# KiCad board radioboard_original.kicad_pcb (continued)
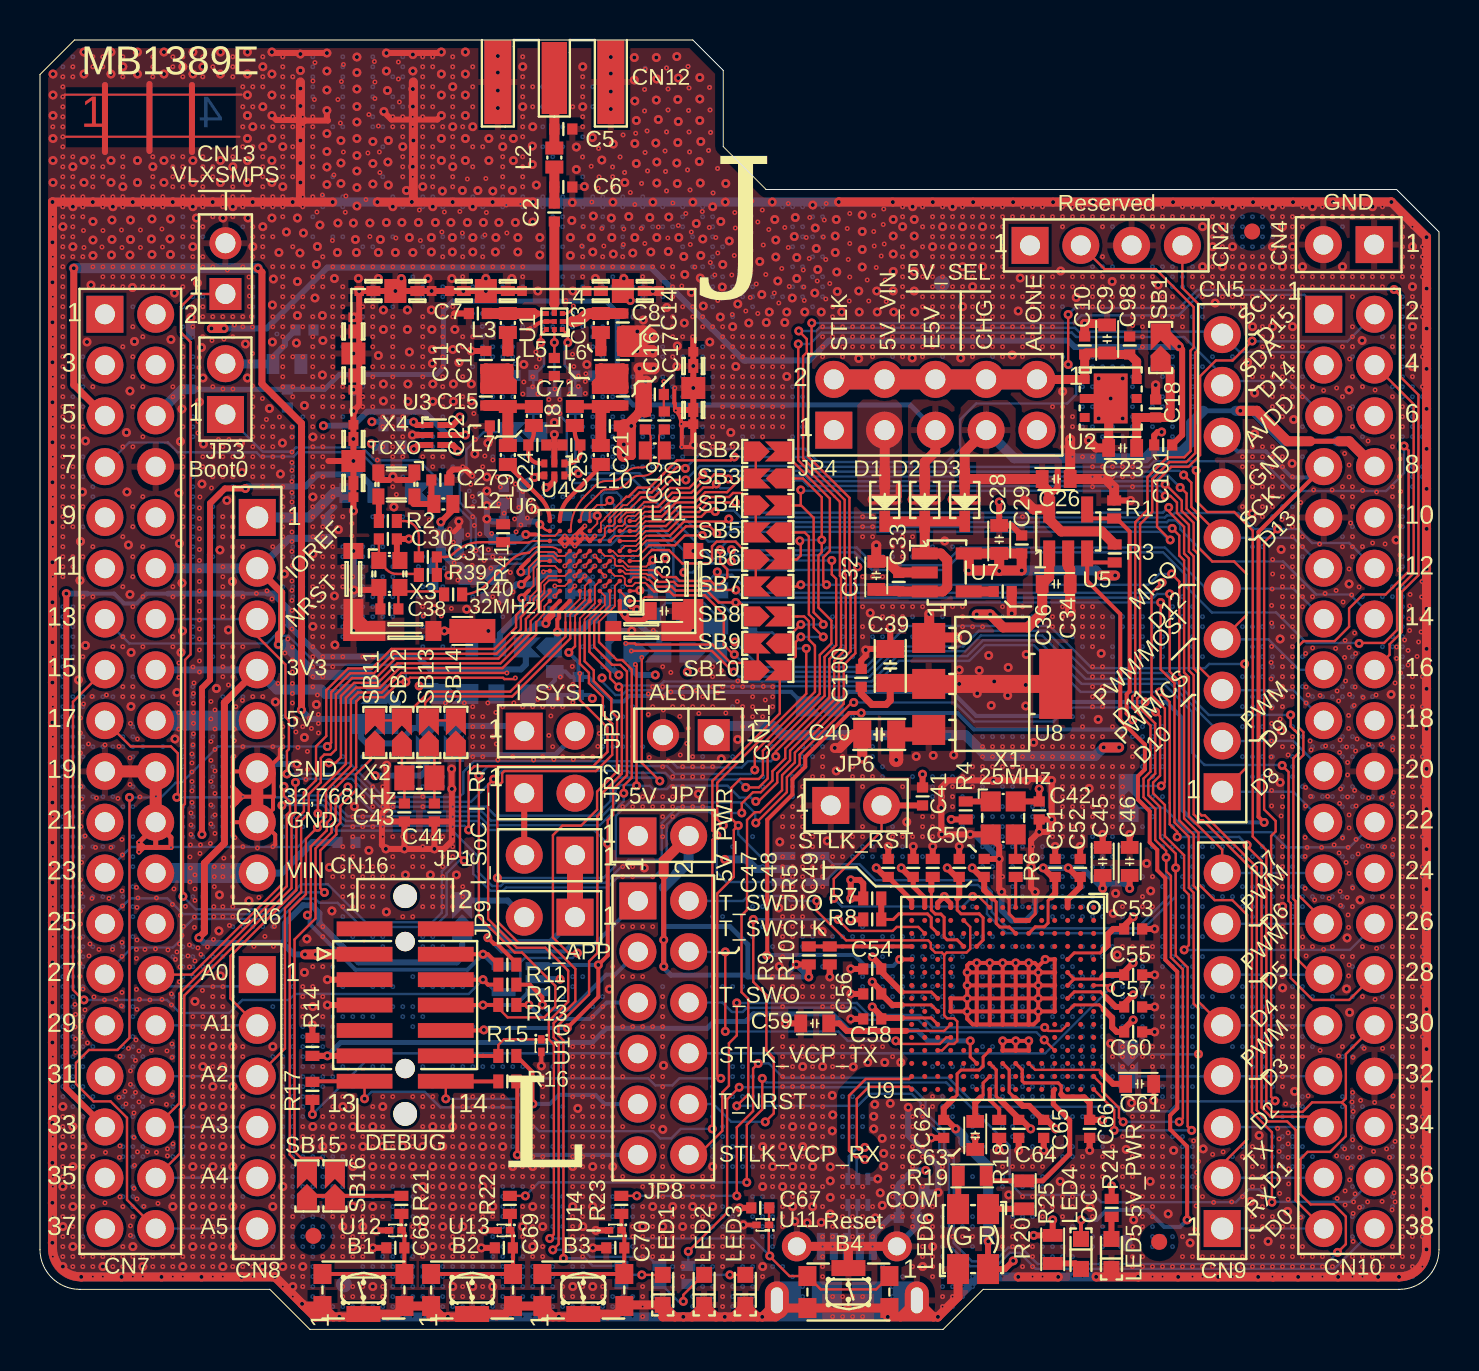
[diagram p0: board, top side]
## Routing (per net, layer and track width the routed paths; a pad name or vN(x,y) marks a point on that pad's centre or on a via; arc(x,y) is an arc through that point) (continued)
v3(41.64,34.64) v3(41.64,29.14) v3(41.64,28.64) v3(41.64,28.14) v3(41.64,27.64) v3(41.64,24.14) v3(41.64,23.64) v3(42.14,38.64) v3(42.14,35.64) v3(42.14,34.64) v3(42.14,28.14) v3(42.14,27.64) v3(42.14,23.64) v3(42.14,19.64) v3(42.14,19.14) v3(42.14,18.64) v3(42.14,17.64) v3(42.14,17.14) v3(42.14,16.64) v3(42.14,16.14) v3(42.14,3.14) v3(42.64,48.64) v3(42.64,39.14) v3(42.64,38.64) v3(42.64,35.64) v3(42.64,25.14) v3(42.64,23.64) v3(42.64,19.64) v3(42.64,19.14) v3(42.64,17.64) v3(42.64,17.14) v3(42.64,16.64) v3(42.64,16.14) v3(42.64,10.64) v3(42.64,10.14) v3(42.64,9.64) v3(42.64,9.14) v3(42.64,8.64) v3(42.64,7.64) v3(42.64,2.64) v3(42.64,2.14) v3(42.64,1.64) v3(42.64,1.14) v3(43.14,56.14) v3(43.14,55.64) v3(43.14,54.14) v3(43.14,53.64) v3(43.14,53.14) v3(43.14,52.64) v3(43.14,52.14) v3(43.14,51.64) v3(43.14,51.14) v3(43.14,50.64) v3(43.14,48.64) v3(43.14,39.14) v3(43.14,38.64) v3(43.14,35.64) v3(43.14,24.14) v3(43.14,23.64) v3(43.14,19.64) v3(43.14,19.14) v3(43.14,17.64) v3(43.14,17.14) v3(43.14,16.64) v3(43.14,16.14) v3(43.14,10.64) v3(43.14,10.14) v3(43.14,9.64) v3(43.14,9.14) v3(43.14,8.64) v3(43.14,8.14) v3(43.14,2.64) v3(43.64,39.14) v3(43.64,38.64) v3(43.64,35.64) v3(43.64,34.64) v3(43.64,27.64) v3(43.64,23.64) v3(43.64,19.64) v3(43.64,19.14) v3(43.64,18.64) v3(43.64,18.14) v3(43.64,17.64) v3(43.64,17.14) v3(43.64,16.64) v3(43.64,16.14) v3(43.64,9.14) v3(43.64,8.64) v3(43.64,3.14) v3(44.14,56.14) v3(44.14,55.14) v3(44.14,54.14) v3(44.14,53.14) v3(44.14,51.64) v3(44.14,51.14) v3(44.14,48.64) v3(44.14,39.14) v3(44.14,38.64) v3(44.14,34.64) v3(44.14,27.14) v3(44.14,24.64) v3(44.14,23.64) v3(44.14,19.64) v3(44.14,19.14) v3(44.14,18.64) v3(44.14,18.14) v3(44.14,17.64) v3(44.14,17.14) v3(44.14,16.64) v3(44.14,16.14) v3(44.14,8.64) v3(44.14,4.64) v3(44.14,4.14) v3(44.14,3.64) v3(44.64,55.64) v3(44.64,55.14) v3(44.64,54.64) v3(44.64,53.64) v3(44.64,51.14) v3(44.64,50.64) v3(44.64,39.14) v3(44.64,38.64) v3(44.64,34.64) v3(44.64,27.64) v3(44.64,27.14) v3(44.64,26.64) v3(44.64,25.64) v3(44.64,25.14) v3(44.64,24.64) v3(44.64,23.64) v3(44.64,19.64) v3(44.64,19.14) v3(44.64,18.64) v3(44.64,18.14) v3(44.64,17.64) v3(44.64,17.14) v3(44.64,16.64) v3(44.64,16.14) v3(44.64,15.64) v3(44.64,13.14) v3(44.64,11.64) v3(44.64,11.14) v3(44.64,5.14) v3(44.64,4.64) v3(44.64,3.64) v3(44.64,3.14) v3(44.64,2.64) v3(45.14,56.14) v3(45.14,55.64) v3(45.14,54.64) v3(45.14,54.14) v3(45.14,53.64) v3(45.14,51.14) v3(45.14,50.64) v3(45.14,48.64) v3(45.14,38.64) v3(45.14,35.64) v3(45.14,34.64) v3(45.14,27.64) v3(45.14,27.14) v3(45.14,26.64) v3(45.14,19.64) v3(45.14,19.14) v3(45.14,18.64) v3(45.14,18.14) v3(45.14,17.64) v3(45.14,17.14) v3(45.14,16.64) v3(45.14,16.14) v3(45.14,15.64) v3(45.14,13.14) v3(45.14,11.64) v3(45.14,11.14) v3(45.14,10.64) v3(45.14,8.14) v3(45.14,6.14) v3(45.14,5.64) v3(45.14,5.14) v3(45.14,4.64) v3(45.14,4.14) v3(45.14,3.64) v3(45.14,3.14) v3(45.14,2.64) v3(45.14,2.14) v3(45.14,1.64) v3(45.14,1.14) v3(45.64,55.64) v3(45.64,55.14) v3(45.64,54.64) v3(45.64,53.64) v3(45.64,51.14) v3(45.64,50.64) v3(45.64,39.14) v3(45.64,27.64) v3(45.64,27.14) v3(45.64,26.64) v3(45.64,26.14) v3(45.64,19.64) v3(45.64,19.14) v3(45.64,18.64) v3(45.64,18.14) v3(45.64,17.64) v3(45.64,17.14) v3(45.64,16.64) v3(45.64,16.14) v3(45.64,15.64) v3(45.64,13.14) v3(45.64,11.14) v3(45.64,10.64) v3(45.64,3.14) v3(45.64,2.64) v3(45.64,2.14) v3(45.64,1.64) v3(45.64,1.14) v3(46.14,56.14) v3(46.14,55.64) v3(46.14,54.64) v3(46.14,54.14) v3(46.14,53.64) v3(46.14,52.64) v3(46.14,52.14) v3(46.14,51.64) v3(46.14,50.64) v3(46.14,27.64) v3(46.14,27.14) v3(46.14,26.64) v3(46.14,25.14) v3(46.14,23.64) v3(46.14,19.64) v3(46.14,19.14) v3(46.14,18.64) v3(46.14,13.14) v3(46.14,12.64) v3(46.14,8.14) v3(46.14,6.14) v3(46.14,5.64) v3(46.14,5.14) v3(46.14,4.64) v3(46.14,2.64) v3(46.14,2.14) v3(46.14,1.64) v3(46.64,55.64) v3(46.64,55.14) v3(46.64,54.64) v3(46.64,53.64) v3(46.64,53.14) v3(46.64,52.64) v3(46.64,51.64) v3(46.64,51.14) v3(46.64,50.64) v3(46.64,48.64) v3(46.64,28.14) v3(46.64,27.64) v3(46.64,27.14) v3(46.64,25.64) v3(46.64,24.14) v3(46.64,23.64) v3(46.64,21.14) v3(46.64,19.64) v3(46.64,19.14) v3(46.64,13.14) v3(46.64,12.64) v3(46.64,12.14) v3(46.64,10.14) v3(46.64,7.64) v3(46.64,5.64) v3(46.64,5.14) v3(46.64,4.64) v3(46.64,4.14) v3(46.64,2.64) v3(46.64,2.14) v3(47.14,56.14) v3(47.14,55.64) v3(47.14,54.64) v3(47.14,54.14) v3(47.14,53.64) v3(47.14,52.64) v3(47.14,52.14) v3(47.14,51.64) v3(47.14,51.14) v3(47.14,50.64) v3(47.14,29.64) v3(47.14,28.14) v3(47.14,27.64) v3(47.14,27.14) v3(47.14,26.14) v3(47.14,25.64) v3(47.14,25.14) v3(47.14,24.64) v3(47.14,24.14) v3(47.14,23.64) v3(47.14,23.14) v3(47.14,19.64) v3(47.14,19.14) v3(47.14,17.64) v3(47.14,17.14) v3(47.14,16.64) v3(47.14,16.14) v3(47.14,15.64) v3(47.14,14.14) v3(47.14,13.14) v3(47.14,12.64) v3(47.14,12.14) v3(47.14,11.64) v3(47.14,9.14) v3(47.14,2.64) v3(47.64,56.14) v3(47.64,55.64) v3(47.64,55.14) v3(47.64,54.64) v3(47.64,54.14) v3(47.64,53.64) v3(47.64,53.14) v3(47.64,52.64) v3(47.64,52.14) v3(47.64,51.64) v3(47.64,51.14) v3(47.64,50.64) v3(47.64,48.64) v3(47.64,29.64) v3(47.64,28.14) v3(47.64,26.14) v3(47.64,25.64) v3(47.64,25.14) v3(47.64,24.64) v3(47.64,24.14) v3(47.64,23.14) v3(47.64,22.64) v3(47.64,19.64) v3(47.64,19.14) v3(47.64,17.64) v3(47.64,17.14) v3(47.64,16.64) v3(47.64,16.14) v3(47.64,15.64) v3(47.64,14.14) v3(47.64,13.14) v3(47.64,12.64) v3(47.64,12.14) v3(47.64,11.64) v3(47.64,2.64) v3(48.14,56.14) v3(48.14,55.64) v3(48.14,55.14) v3(48.14,54.64) v3(48.14,54.14) v3(48.14,53.64) v3(48.14,53.14) v3(48.14,52.64) v3(48.14,52.14) v3(48.14,51.64) v3(48.14,51.14) v3(48.14,50.64) v3(48.14,48.64) v3(48.14,35.64) v3(48.14,29.64) v3(48.14,28.14) v3(48.14,27.64) v3(48.14,27.14) v3(48.14,26.14) v3(48.14,25.64) v3(48.14,25.14) v3(48.14,24.64) v3(48.14,24.14) v3(48.14,22.64) v3(48.14,21.14) v3(48.14,19.14) v3(48.14,17.64) v3(48.14,17.14) v3(48.14,16.64) v3(48.14,16.14) v3(48.14,15.64) v3(48.14,13.14) v3(48.14,12.64) v3(48.14,12.14) v3(48.14,11.64) v3(48.14,10.14) v3(48.14,7.64) v3(48.14,7.14) v3(48.14,6.14) v3(48.14,2.64) v3(48.64,55.64) v3(48.64,52.14) v3(48.64,51.64) v3(48.64,29.64) v3(48.64,28.14) v3(48.64,27.64) v3(48.64,27.14) v3(48.64,26.14) v3(48.64,25.64) v3(48.64,25.14) v3(48.64,24.64) v3(48.64,24.14) v3(48.64,23.64) v3(48.64,23.14) v3(48.64,22.64) v3(48.64,22.14) v3(48.64,21.64) v3(48.64,21.14) v3(48.64,19.14) v3(48.64,17.64) v3(48.64,17.14) v3(48.64,16.64) v3(48.64,16.14) v3(48.64,15.64) v3(48.64,13.14) v3(48.64,12.64) v3(48.64,12.14) v3(48.64,11.64) v3(48.64,10.14) v3(48.64,9.64) v3(48.64,6.14) v3(48.64,5.64) v3(49.14,56.14) v3(49.14,55.64) v3(49.14,51.64) v3(49.14,48.64) v3(49.14,35.64) v3(49.14,29.64) v3(49.14,28.14) v3(49.14,26.14) v3(49.14,25.64) v3(49.14,25.14) v3(49.14,24.64) v3(49.14,24.14) v3(49.14,23.64) v3(49.14,22.64) v3(49.14,22.14) v3(49.14,21.64) v3(49.14,21.14) v3(49.14,19.14) v3(49.14,17.64) v3(49.14,17.14) v3(49.14,16.64) v3(49.14,16.14) v3(49.14,15.64) v3(49.14,13.14) v3(49.14,12.64) v3(49.14,12.14) v3(49.14,11.64) v3(49.14,9.64) v3(49.14,7.64) v3(49.14,7.14) v3(49.14,6.14) v3(49.14,5.64) v3(49.14,5.14) v3(49.14,3.14) v3(49.64,56.14) v3(49.64,55.64) v3(49.64,52.14) v3(49.64,51.64) v3(49.64,51.14) v3(49.64,50.64) v3(49.64,35.64) v3(49.64,28.14) v3(49.64,26.14) v3(49.64,25.64) v3(49.64,24.14) v3(49.64,23.64) v3(49.64,22.64) v3(49.64,21.14) v3(49.64,19.14) v3(49.64,13.14) v3(49.64,12.64) v3(49.64,12.14) v3(49.64,11.64) v3(49.64,10.64) v3(49.64,9.14) v3(49.64,8.64) v3(49.64,7.64) v3(49.64,7.14) v3(49.64,6.14) v3(49.64,5.64) v3(49.64,4.14) v3(49.64,2.64) v3(50.14,56.14) v3(50.14,55.64) v3(50.14,51.64) v3(50.14,51.14) v3(50.14,50.64) v3(50.14,29.64) v3(50.14,28.14) v3(50.14,27.64) v3(50.14,26.14) v3(50.14,25.64) v3(50.14,24.14) v3(50.14,23.64) v3(50.14,21.14) v3(50.14,19.14) v3(50.14,13.14) v3(50.14,12.64) v3(50.14,12.14) v3(50.14,11.64) v3(50.14,10.64) v3(50.14,7.64) v3(50.14,7.14) v3(50.14,6.14) v3(50.14,5.64) v3(50.14,4.14) v3(50.14,3.64) v3(50.14,2.64) v3(50.64,55.64) v3(50.64,51.64) v3(50.64,51.14) v3(50.64,50.64) v3(50.64,48.64) v3(50.64,29.64) v3(50.64,28.14) v3(50.64,26.64) v3(50.64,26.14) v3(50.64,24.64) v3(50.64,23.64) v3(50.64,22.64) v3(50.64,22.14) v3(50.64,21.64) v3(50.64,21.14) v3(50.64,20.64) v3(50.64,19.14) v3(50.64,18.14) v3(50.64,17.64) v3(50.64,17.14) v3(50.64,16.64) v3(50.64,16.14) v3(50.64,15.64) v3(50.64,13.64) v3(50.64,13.14) v3(50.64,12.64) v3(50.64,12.14) v3(50.64,11.64) v3(50.64,10.64) v3(50.64,9.14) v3(50.64,8.64) v3(50.64,6.14) v3(50.64,4.64) v3(50.64,4.14) v3(50.64,3.64) v3(51.14,56.14) v3(51.14,55.64) v3(51.14,55.14) v3(51.14,51.64) v3(51.14,51.14) v3(51.14,48.64) v3(51.14,47.64) v3(51.14,45.64) v3(51.14,45.14) v3(51.14,44.14) v3(51.14,35.64) v3(51.14,35.14) v3(51.14,29.64) v3(51.14,28.14) v3(51.14,27.64) v3(51.14,27.14) v3(51.14,26.64) v3(51.14,26.14) v3(51.14,25.64) v3(51.14,25.14) v3(51.14,24.64) v3(51.14,23.64) v3(51.14,22.64) v3(51.14,22.14) v3(51.14,21.64) v3(51.14,21.14) v3(51.14,20.64) v3(51.14,18.64) v3(51.14,18.14) v3(51.14,17.64) v3(51.14,17.14) v3(51.14,16.64) v3(51.14,16.14) v3(51.14,15.64) v3(51.14,15.14) v3(51.14,14.14) v3(51.14,13.64) v3(51.14,13.14) v3(51.14,12.64) v3(51.14,12.14) v3(51.14,11.64) v3(51.14,10.64) v3(51.14,9.14) v3(51.14,8.64) v3(51.14,6.14) v3(51.14,5.64) v3(51.14,4.14) v3(51.14,3.64) v3(51.64,56.14) v3(51.64,55.64) v3(51.64,45.64) v3(51.64,45.14) v3(51.64,35.14) v3(51.64,34.64) v3(51.64,30.64) v3(51.64,29.64) v3(51.64,28.14) v3(51.64,27.64) v3(51.64,27.14) v3(51.64,26.64) v3(51.64,26.14) v3(51.64,25.64) v3(51.64,25.14) v3(51.64,24.64) v3(51.64,23.64) v3(51.64,22.64) v3(51.64,22.14) v3(51.64,21.64) v3(51.64,21.14) v3(51.64,20.64) v3(51.64,18.14) v3(51.64,17.64) v3(51.64,17.14) v3(51.64,16.64) v3(51.64,16.14) v3(51.64,15.64) v3(51.64,14.64) v3(51.64,14.14) v3(51.64,13.64) v3(51.64,13.14) v3(51.64,12.64) v3(51.64,12.14) v3(51.64,11.64) v3(51.64,10.64) v3(51.64,9.14) v3(51.64,8.64) v3(51.64,7.64) v3(51.64,7.14) v3(51.64,6.14) v3(51.64,5.14) v3(51.64,3.64) v3(51.64,2.64) v3(52.14,56.14) v3(52.14,55.64) v3(52.14,48.64) v3(52.14,48.14) v3(52.14,47.64) v3(52.14,47.14) v3(52.14,46.64) v3(52.14,46.14) v3(52.14,45.64) v3(52.14,45.14) v3(52.14,35.64) v3(52.14,35.14) v3(52.14,34.64) v3(52.14,34.14) v3(52.14,30.64) v3(52.14,29.64) v3(52.14,28.14) v3(52.14,27.64) v3(52.14,26.64) v3(52.14,26.14) v3(52.14,25.64) v3(52.14,25.14) v3(52.14,24.64) v3(52.14,23.64) v3(52.14,22.14) v3(52.14,21.64) v3(52.14,21.14) v3(52.14,20.64) v3(52.14,19.14) v3(52.14,17.64) v3(52.14,17.14) v3(52.14,16.64) v3(52.14,16.14) v3(52.14,15.14) v3(52.14,14.64) v3(52.14,14.14) v3(52.14,13.64) v3(52.14,13.14) v3(52.14,12.64) v3(52.14,12.14) v3(52.14,11.64) v3(52.14,10.64) v3(52.14,8.64) v3(52.14,7.64) v3(52.14,7.14) v3(52.14,4.64) v3(52.14,2.64) v3(52.64,55.64) v3(52.64,53.14) v3(52.64,51.64) v3(52.64,48.64) v3(52.64,48.14) v3(52.64,47.14) v3(52.64,46.64) v3(52.64,46.14) v3(52.64,45.14) v3(52.64,35.14) v3(52.64,34.64) v3(52.64,34.14) v3(52.64,29.64) v3(52.64,28.14) v3(52.64,27.64) v3(52.64,26.14) v3(52.64,25.64) v3(52.64,25.14) v3(52.64,24.64) v3(52.64,24.14) v3(52.64,23.64) v3(52.64,23.14) v3(52.64,21.64) v3(52.64,21.14) v3(52.64,20.64) v3(52.64,19.14) v3(52.64,18.64) v3(52.64,17.64) v3(52.64,17.14) v3(52.64,16.64) v3(52.64,15.64) v3(52.64,15.14) v3(52.64,14.64) v3(52.64,14.14) v3(52.64,13.64) v3(52.64,13.14) v3(52.64,12.64) v3(52.64,12.14) v3(52.64,11.64) v3(52.64,10.64) v3(52.64,7.14) v3(52.64,4.64) v3(52.64,4.14) v3(53.14,56.14) v3(53.14,55.64) v3(53.14,55.14) v3(53.14,53.64) v3(53.14,53.14) v3(53.14,52.64) v3(53.14,48.64) v3(53.14,48.14) v3(53.14,46.14) v3(53.14,44.64) v3(53.14,44.14) v3(53.14,34.64) v3(53.14,29.64) v3(53.14,28.14) v3(53.14,27.64) v3(53.14,27.14) v3(53.14,26.64) v3(53.14,26.14) v3(53.14,25.64) v3(53.14,24.14) v3(53.14,23.64) v3(53.14,23.14) v3(53.14,22.64) v3(53.14,21.14) v3(53.14,20.64) v3(53.14,19.14) v3(53.14,18.64) v3(53.14,17.64) v3(53.14,16.14) v3(53.14,15.64) v3(53.14,15.14) v3(53.14,14.64) v3(53.14,13.64) v3(53.14,13.14) v3(53.14,12.64) v3(53.14,12.14) v3(53.14,9.64) v3(53.14,9.14) v3(53.14,8.64) v3(53.14,5.14) v3(53.14,4.64) v3(53.14,4.14) v3(53.64,56.14) v3(53.64,55.64) v3(53.64,55.14) v3(53.64,53.14) v3(53.64,48.64) v3(53.64,48.14) v3(53.64,47.64) v3(53.64,47.14) v3(53.64,45.64) v3(53.64,45.14) v3(53.64,44.64) v3(53.64,44.14) v3(53.64,35.64) v3(53.64,34.14) v3(53.64,33.64) v3(53.64,28.14) v3(53.64,27.64) v3(53.64,27.14) v3(53.64,26.64) v3(53.64,26.14) v3(53.64,25.64) v3(53.64,25.14) v3(53.64,24.64) v3(53.64,24.14) v3(53.64,23.64) v3(53.64,23.14) v3(53.64,19.14) v3(53.64,17.64) v3(53.64,16.14) v3(53.64,15.64) v3(53.64,15.14) v3(53.64,13.64) v3(53.64,13.14) v3(53.64,12.64) v3(53.64,9.14) v3(53.64,8.64) v3(53.64,8.14) v3(53.64,2.64) v3(54.14,56.14) v3(54.14,55.64) v3(54.14,52.64) v3(54.14,52.14) v3(54.14,51.64) v3(54.14,48.64) v3(54.14,48.14) v3(54.14,46.64) v3(54.14,46.14) v3(54.14,44.64) v3(54.14,44.14) v3(54.14,35.64) v3(54.14,35.14) v3(54.14,28.14) v3(54.14,24.14) v3(54.14,21.14) v3(54.14,20.64) v3(54.14,19.14) v3(54.14,17.64) v3(54.14,17.14) v3(54.14,16.64) v3(54.14,16.14) v3(54.14,15.64) v3(54.14,15.14) v3(54.14,11.64) v3(54.14,9.64) v3(54.14,8.14) v3(54.14,7.64) v3(54.14,7.14) v3(54.14,2.64) v3(54.64,55.64) v3(54.64,52.64) v3(54.64,52.14) v3(54.64,51.64) v3(54.64,48.64) v3(54.64,48.14) v3(54.64,47.64) v3(54.64,47.14) v3(54.64,46.64) v3(54.64,46.14) v3(54.64,45.64) v3(54.64,45.14) v3(54.64,44.64) v3(54.64,35.64) v3(54.64,35.14) v3(54.64,34.64) v3(54.64,29.64) v3(54.64,29.14) v3(54.64,28.64) v3(54.64,28.14) v3(54.64,9.64) v3(54.64,8.64) v3(54.64,8.14) v3(54.64,7.64) v3(54.64,7.14) v3(55.14,56.14) v3(55.14,55.64) v3(55.14,52.64) v3(55.14,52.14) v3(55.14,51.64) v3(55.14,35.64) v3(55.14,35.14) v3(55.14,34.64) v3(55.14,34.14) v3(55.14,33.64) v3(55.14,30.14) v3(55.14,29.64) v3(55.14,29.14) v3(55.14,28.64) v3(55.14,28.14) v3(55.14,25.14) v3(55.14,22.64) v3(55.14,21.64) v3(55.14,21.14) v3(55.14,19.14) v3(55.14,18.64) v3(55.14,18.14) v3(55.14,17.64) v3(55.14,17.14) v3(55.14,16.64) v3(55.14,16.14) v3(55.14,15.64) v3(55.14,15.14) v3(55.14,14.64) v3(55.14,11.64) v3(55.14,9.64) v3(55.14,9.14) v3(55.14,8.64) v3(55.14,8.14) v3(55.14,5.14) v3(55.64,56.14) v3(55.64,55.64) v3(55.64,55.14) v3(55.64,53.14) v3(55.64,52.64) v3(55.64,51.64) v3(55.64,48.64) v3(55.64,48.14) v3(55.64,46.64) v3(55.64,46.14) v3(55.64,45.64) v3(55.64,45.14) v3(55.64,35.14) v3(55.64,34.64) v3(55.64,34.14) v3(55.64,33.64) v3(55.64,30.14) v3(55.64,29.64) v3(55.64,29.14) v3(55.64,28.64) v3(55.64,28.14) v3(55.64,27.64) v3(55.64,26.64) v3(55.64,25.64) v3(55.64,24.14) v3(55.64,22.64) v3(55.64,19.14) v3(55.64,18.64) v3(55.64,17.14) v3(55.64,16.64) v3(55.64,15.64) v3(55.64,14.14) v3(55.64,13.14) v3(55.64,12.14) v3(55.64,9.64) v3(55.64,9.14) v3(55.64,8.64) v3(55.64,8.14) v3(55.64,5.14) v3(55.64,4.64) v3(55.64,4.14) v3(55.64,2.64) v3(56.14,56.14) v3(56.14,55.64) v3(56.14,55.14) v3(56.14,53.14) v3(56.14,51.64) v3(56.14,48.64) v3(56.14,48.14) v3(56.14,47.64) v3(56.14,46.64) v3(56.14,46.14) v3(56.14,45.64) v3(56.14,34.64) v3(56.14,34.14) v3(56.14,33.64) v3(56.14,30.14) v3(56.14,29.64) v3(56.14,29.14) v3(56.14,28.64) v3(56.14,28.14) v3(56.14,26.64) v3(56.14,24.64) v3(56.14,24.14) v3(56.14,22.14) v3(56.14,19.64) v3(56.14,19.14) v3(56.14,18.64) v3(56.14,18.14) v3(56.14,17.14) v3(56.14,16.64) v3(56.14,15.64) v3(56.14,15.14) v3(56.14,14.14) v3(56.14,13.14) v3(56.14,12.14) v3(56.14,11.64) v3(56.14,9.64) v3(56.14,9.14) v3(56.14,8.64) v3(56.14,8.14) v3(56.14,7.64) v3(56.14,7.14) v3(56.14,4.64) v3(56.14,4.14) v3(56.14,2.64) v3(56.64,55.64) v3(56.64,53.14) v3(56.64,52.64) v3(56.64,52.14) v3(56.64,51.64) v3(56.64,48.64) v3(56.64,48.14) v3(56.64,47.64) v3(56.64,47.14) v3(56.64,46.64) v3(56.64,46.14) v3(56.64,45.64) v3(56.64,45.14) v3(56.64,44.64) v3(56.64,36.14) v3(56.64,35.64) v3(56.64,25.14) v3(56.64,24.14) v3(56.64,20.64) v3(56.64,20.14) v3(56.64,19.64) v3(56.64,19.14) v3(56.64,18.64) v3(56.64,18.14) v3(56.64,17.64) v3(56.64,17.14) v3(56.64,16.64) v3(56.64,16.14) v3(56.64,15.64) v3(56.64,15.14) v3(56.64,14.64) v3(56.64,14.14) v3(56.64,13.14) v3(56.64,12.14) v3(56.64,11.64) v3(56.64,9.64) v3(56.64,8.14) v3(56.64,7.64) v3(56.64,7.14) v3(56.64,4.64) v3(56.64,4.14) v3(57.14,56.14) v3(57.14,55.64) v3(57.14,52.64) v3(57.14,52.14) v3(57.14,48.64) v3(57.14,48.14) v3(57.14,47.64) v3(57.14,47.14) v3(57.14,46.64) v3(57.14,46.14) v3(57.14,45.64) v3(57.14,36.64) v3(57.14,36.14) v3(57.14,35.64) v3(57.14,35.14) v3(57.14,24.14) v3(57.14,23.64) v3(57.14,22.64) v3(57.14,22.14) v3(57.14,21.64) v3(57.14,21.14) v3(57.14,20.64) v3(57.14,20.14) v3(57.14,19.64) v3(57.14,18.14) v3(57.14,17.64) v3(57.14,17.14) v3(57.14,16.64) v3(57.14,16.14) v3(57.14,15.64) v3(57.14,15.14) v3(57.14,14.64) v3(57.14,14.14) v3(57.14,13.14) v3(57.14,12.14) v3(57.14,9.64) v3(57.14,9.14) v3(57.14,8.64) v3(57.14,8.14) v3(57.14,7.64) v3(57.14,7.14) v3(57.14,4.64) v3(57.64,56.14) v3(57.64,55.64) v3(57.64,53.14) v3(57.64,52.64) v3(57.64,50.64) v3(57.64,48.64) v3(57.64,48.14) v3(57.64,47.64) v3(57.64,47.14) v3(57.64,46.64) v3(57.64,46.14) v3(57.64,36.14) v3(57.64,35.64) v3(57.64,35.14) v3(57.64,34.64) v3(57.64,34.14) v3(57.64,33.64) v3(57.64,24.14) v3(57.64,23.64) v3(57.64,23.14) v3(57.64,22.64) v3(57.64,22.14) v3(57.64,21.64) v3(57.64,21.14) v3(57.64,20.64) v3(57.64,20.14) v3(57.64,19.64) v3(57.64,18.64) v3(57.64,18.14) v3(57.64,17.64) v3(57.64,17.14) v3(57.64,16.64) v3(57.64,16.14) v3(57.64,15.64) v3(57.64,15.14) v3(57.64,14.64) v3(57.64,14.14) v3(57.64,13.14) v3(57.64,12.14) v3(57.64,9.14) v3(57.64,8.64) v3(57.64,8.14) v3(57.64,7.64) v3(57.64,7.14) v3(57.64,2.64) v3(58.14,56.14) v3(58.14,55.64) v3(58.14,52.64) v3(58.14,51.14) v3(58.14,50.64) v3(58.14,48.14) v3(58.14,35.64) v3(58.14,35.14) v3(58.14,33.64) v3(58.14,24.14) v3(58.14,23.64) v3(58.14,22.14) v3(58.14,21.64) v3(58.14,21.14) v3(58.14,19.64) v3(58.14,18.64) v3(58.14,16.64) v3(58.14,16.14) v3(58.14,2.64) v3(58.64,55.64) v3(58.64,55.14) v3(58.64,54.64) v3(58.64,53.64) v3(58.64,53.14) v3(58.64,52.64) v3(58.64,48.64) v3(58.64,24.14) v3(58.64,21.64) v3(58.64,16.64) v3(59.14,56.14) v3(59.14,55.64) v3(59.14,54.64) v3(59.14,54.14) v3(59.14,53.64) v3(59.14,52.64) v3(59.14,24.14) v3(59.14,21.64) v3(59.64,55.64) v3(59.64,55.14) v3(59.64,54.64) v3(59.64,53.64) v3(59.64,53.14) v3(59.64,52.64) v3(59.64,51.14) v3(59.64,48.64) v3(59.64,24.14) v3(59.64,21.64) v3(59.64,16.64) v3(59.64,14.14) v3(59.64,8.64) v3(59.64,2.64) v3(60.14,56.14) v3(60.14,55.64) v3(60.14,55.14) v3(60.14,54.64) v3(60.14,54.14) v3(60.14,53.64) v3(60.14,52.64) v3(60.14,51.14) v3(60.14,50.64) v3(60.14,41.14) v3(60.14,35.14) v3(60.14,32.64) v3(60.14,31.14) v3(60.14,30.14) v3(60.14,28.64) v3(60.14,23.64) v3(60.14,22.14) v3(60.14,21.64) v3(60.14,21.14) v3(60.14,17.14) v3(60.14,16.64) v3(60.14,16.14) v3(60.14,14.14) v3(60.14,13.64) v3(60.14,9.14) v3(60.14,8.64) v3(60.14,2.64) v3(60.64,55.64) v3(60.64,55.14) v3(60.64,54.64) v3(60.64,54.14) v3(60.64,53.64) v3(60.64,53.14) v3(60.64,52.64) v3(60.64,51.14) v3(60.64,50.64) v3(60.64,42.64) v3(60.64,42.14) v3(60.64,41.64) v3(60.64,39.14) v3(60.64,35.14) v3(60.64,34.14) v3(60.64,33.64) v3(60.64,32.64) v3(60.64,31.64) v3(60.64,31.14) v3(60.64,30.14) v3(60.64,28.64) v3(60.64,27.64) v3(60.64,23.64) v3(60.64,23.14) v3(60.64,22.14) v3(60.64,21.64) v3(60.64,21.14) v3(60.64,20.64) v3(60.64,17.14) v3(60.64,16.64) v3(60.64,16.14) v3(60.64,15.64) v3(60.64,14.64) v3(60.64,14.14) v3(60.64,13.64) v3(60.64,13.14) v3(60.64,12.14) v3(60.64,10.64) v3(60.64,9.14) v3(60.64,8.64) v3(60.64,8.14) v3(60.64,5.64) v3(60.64,4.64) v3(60.64,4.14) v3(61.14,56.14) v3(61.14,55.64) v3(61.14,55.14) v3(61.14,54.64) v3(61.14,54.14) v3(61.14,53.64) v3(61.14,52.64) v3(61.14,51.14) v3(61.14,50.64) v3(61.14,50.14) v3(61.14,48.14) v3(61.14,42.64) v3(61.14,42.14) v3(61.14,41.64) v3(61.14,41.14) v3(61.14,40.64) v3(61.14,39.14) v3(61.14,35.14) v3(61.14,34.14) v3(61.14,33.64) v3(61.14,33.14) v3(61.14,32.64) v3(61.14,31.64) v3(61.14,31.14) v3(61.14,30.14) v3(61.14,28.64) v3(61.14,27.64) v3(61.14,24.14) v3(61.14,23.64) v3(61.14,23.14) v3(61.14,22.14) v3(61.14,21.64) v3(61.14,21.14) v3(61.14,20.64) v3(61.14,17.14) v3(61.14,16.64) v3(61.14,16.14) v3(61.14,15.64) v3(61.14,14.64) v3(61.14,14.14) v3(61.14,13.64) v3(61.14,13.14) v3(61.14,12.14) v3(61.14,10.64) v3(61.14,9.14) v3(61.14,8.64) v3(61.14,8.14) v3(61.14,6.14) v3(61.14,5.64) v3(61.64,55.64) v3(61.64,55.14) v3(61.64,54.64) v3(61.64,53.64) v3(61.64,53.14) v3(61.64,52.64) v3(61.64,51.14) v3(61.64,50.64) v3(61.64,48.14) v3(61.64,46.64) v3(61.64,46.14) v3(61.64,44.14) v3(61.64,42.14) v3(61.64,41.64) v3(61.64,41.14) v3(61.64,40.64) v3(61.64,35.14) v3(61.64,33.64) v3(61.64,33.14) v3(61.64,32.64) v3(61.64,31.64) v3(61.64,31.14) v3(61.64,30.14) v3(61.64,28.64) v3(61.64,27.64) v3(61.64,24.14) v3(61.64,23.64) v3(61.64,23.14) v3(61.64,22.14) v3(61.64,21.64) v3(61.64,21.14) v3(61.64,20.64) v3(61.64,17.14) v3(61.64,16.64) v3(61.64,16.14) v3(61.64,15.64) v3(61.64,14.64) v3(61.64,14.14) v3(61.64,13.64) v3(61.64,13.14) v3(61.64,12.14) v3(61.64,10.64) v3(61.64,9.64) v3(61.64,9.14) v3(61.64,8.64) v3(61.64,8.14) v3(61.64,5.64) v3(61.64,2.64) v3(62.14,56.14) v3(62.14,55.64) v3(62.14,54.64) v3(62.14,54.14) v3(62.14,53.64) v3(62.14,52.64) v3(62.14,51.14) v3(62.14,50.64) v3(62.14,50.14) v3(62.14,48.14) v3(62.14,46.64) v3(62.14,46.14) v3(62.14,45.64) v3(62.14,43.64) v3(62.14,41.64) v3(62.14,41.14) v3(62.14,40.64) v3(62.14,33.14) v3(62.14,32.64) v3(62.14,31.64) v3(62.14,31.14) v3(62.14,23.64) v3(62.14,23.14) v3(62.14,22.14) v3(62.14,21.64) v3(62.14,20.64) v3(62.14,16.14) v3(62.14,15.64) v3(62.14,14.64) v3(62.14,14.14) v3(62.14,13.64) v3(62.14,13.14) v3(62.14,12.14) v3(62.14,10.64) v3(62.14,9.64) v3(62.14,9.14) v3(62.14,8.64) v3(62.14,8.14) v3(62.14,4.64) v3(62.14,4.14) v3(62.14,2.64) v3(62.64,55.64) v3(62.64,55.14) v3(62.64,54.64) v3(62.64,53.64) v3(62.64,53.14) v3(62.64,52.64) v3(62.64,51.14) v3(62.64,50.64) v3(62.64,48.14) v3(62.64,46.64) v3(62.64,46.14) v3(62.64,41.14) v3(62.64,40.64) v3(62.64,39.14) v3(62.64,38.64) v3(62.64,34.14) v3(62.64,32.64) v3(62.64,30.14) v3(62.64,28.64) v3(62.64,28.14) v3(62.64,27.64) v3(62.64,23.64) v3(62.64,23.14) v3(62.64,22.14) v3(62.64,21.64) v3(62.64,21.14) v3(62.64,20.64) v3(62.64,17.14) v3(62.64,16.64) v3(62.64,16.14) v3(62.64,15.64) v3(62.64,14.64) v3(62.64,14.14) v3(62.64,13.64) v3(62.64,13.14) v3(62.64,11.14) v3(62.64,10.64) v3(62.64,9.64) v3(62.64,9.14) v3(62.64,8.64) v3(62.64,8.14) v3(62.64,4.64) v3(62.64,4.14) v3(63.14,56.14) v3(63.14,55.64) v3(63.14,55.14) v3(63.14,52.64) v3(63.14,47.64) v3(63.14,45.14) v3(63.14,43.64) v3(63.14,38.64) v3(63.14,33.64) v3(63.14,32.14) v3(63.14,29.64) v3(63.14,27.14) v3(63.14,23.64) v3(63.14,22.14) v3(63.14,21.64) v3(63.14,21.14) v3(63.14,17.14) v3(63.14,16.64) v3(63.14,16.14) v3(63.14,14.64) v3(63.14,14.14) v3(63.14,13.64) v3(63.14,11.64) v3(63.14,11.14) v3(63.14,10.64) v3(63.14,9.14) v3(63.14,8.64) v3(63.14,8.14) v3(63.14,5.64) v3(63.14,4.14) v3(63.64,55.64) v3(63.64,52.64) v3(63.64,47.14) v3(63.64,31.64) v3(63.64,29.14) v3(63.64,26.64) v3(63.64,21.64) v3(63.64,16.64) v3(63.64,14.14) v3(63.64,8.64) v3(63.64,2.64) v3(64.14,56.14) v3(64.14,55.64) v3(64.14,52.64) v3(64.14,31.64) v3(64.14,29.14) v3(64.14,26.64) v3(64.14,21.64) v3(64.14,2.64) v3(64.64,55.64) v3(64.64,52.64) v3(64.64,31.64) v3(64.64,29.14) v3(64.64,26.64) v3(64.64,21.64) v3(64.64,16.64) v3(65.14,56.14) v3(65.14,55.64) v3(65.14,55.14) v3(65.14,52.64) v3(65.14,46.64) v3(65.14,39.64) v3(65.14,32.14) v3(65.14,31.64) v3(65.14,29.64) v3(65.14,29.14) v3(65.14,28.64) v3(65.14,27.14) v3(65.14,26.64) v3(65.14,26.14) v3(65.14,24.64) v3(65.14,23.64) v3(65.14,21.64) v3(65.14,21.14) v3(65.14,18.64) v3(65.14,14.14) v3(65.14,13.64) v3(65.14,11.64) v3(65.14,11.14) v3(65.14,9.14) v3(65.14,8.64) v3(65.64,55.64) v3(65.64,52.64) v3(65.64,49.14) v3(65.64,48.64) v3(65.64,47.64) v3(65.64,46.14) v3(65.64,45.14) v3(65.64,41.14) v3(65.64,40.14) v3(65.64,39.64) v3(65.64,38.64) v3(65.64,33.64) v3(65.64,32.14) v3(65.64,31.64) v3(65.64,31.14) v3(65.64,29.64) v3(65.64,29.14) v3(65.64,28.64) v3(65.64,27.14) v3(65.64,26.64) v3(65.64,26.14) v3(65.64,23.64) v3(65.64,22.14) v3(65.64,21.14) v3(65.64,18.64) v3(65.64,18.14) v3(65.64,16.64) v3(65.64,14.64) v3(65.64,14.14) v3(65.64,13.64) v3(65.64,11.64) v3(65.64,11.14) v3(65.64,10.64) v3(65.64,9.64) v3(65.64,9.14) v3(65.64,8.64) v3(65.64,8.14) v3(65.64,7.14) v3(65.64,5.64) v3(65.64,4.64) v3(65.64,2.64) v3(66.14,56.14) v3(66.14,55.64) v3(66.14,52.64) v3(66.14,47.14) v3(66.14,44.64) v3(66.14,39.14) v3(66.14,36.64) v3(66.14,31.64) v3(66.14,29.14) v3(66.14,26.64) v3(66.14,24.14) v3(66.14,19.14) v3(66.14,16.64) v3(66.14,14.14) v3(66.14,11.14) v3(66.14,8.64) v3(66.14,6.14) v3(66.14,2.64) v3(66.64,55.64) v3(66.64,52.64) v3(66.64,31.64) v3(66.64,29.14) v3(66.64,26.64) v3(66.64,24.14) v3(66.64,21.64) v3(67.14,56.14) v3(67.14,55.64) v3(67.14,52.64) v3(67.14,49.64) v3(67.14,36.64) v3(67.14,34.14) v3(67.14,29.14) v3(67.14,26.64) v3(67.14,24.14) v3(67.14,21.64) v3(67.14,19.14) v3(67.14,16.64) v3(67.64,55.64) v3(67.64,52.64) v3(67.64,49.64) v3(67.64,49.14) v3(67.64,47.14) v3(67.64,46.64) v3(67.64,44.64) v3(67.64,44.14) v3(67.64,41.64) v3(67.64,37.14) v3(67.64,36.64) v3(67.64,34.64) v3(67.64,34.14) v3(67.64,29.64) v3(67.64,29.14) v3(67.64,26.64) v3(67.64,26.14) v3(67.64,24.14) v3(67.64,23.64) v3(67.64,21.64) v3(67.64,21.14) v3(67.64,19.14) v3(67.64,18.64) v3(67.64,16.64) v3(67.64,16.14) v3(67.64,14.14) v3(67.64,13.64) v3(67.64,11.64) v3(67.64,11.14) v3(67.64,9.14) v3(67.64,8.64) v3(67.64,6.64) v3(67.64,6.14) v3(67.64,4.14) v3(68.14,55.64) v3(68.14,55.14) v3(68.14,54.64) v3(68.14,54.14) v3(68.14,53.64) v3(68.14,53.14) v3(68.14,52.64) v3(68.14,51.64) v3(68.14,51.14) v3(68.14,50.64) v3(68.14,50.14) v3(68.14,49.64) v3(68.14,49.14) v3(68.14,48.64) v3(68.14,48.14) v3(68.14,47.64) v3(68.14,47.14) v3(68.14,46.64) v3(68.14,46.14) v3(68.14,45.64) v3(68.14,45.14) v3(68.14,44.64) v3(68.14,41.14) v3(68.14,40.64) v3(68.14,40.14) v3(68.14,38.64) v3(68.14,38.14) v3(68.14,37.64) v3(68.14,37.14) v3(68.14,36.64) v3(68.14,36.14) v3(68.14,35.64) v3(68.14,35.14) v3(68.14,34.64) v3(68.14,34.14) v3(68.14,33.64) v3(68.14,33.14) v3(68.14,32.64) v3(68.14,32.14) v3(68.14,31.64) v3(68.14,31.14) v3(68.14,30.64) v3(68.14,30.14) v3(68.14,29.64) v3(68.14,29.14) v3(68.14,28.64) v3(68.14,28.14) v3(68.14,27.64) v3(68.14,27.14) v3(68.14,26.64) v3(68.14,26.14) v3(68.14,25.64) v3(68.14,25.14) v3(68.14,24.64) v3(68.14,24.14) v3(68.14,23.64) v3(68.14,23.14) v3(68.14,22.64) v3(68.14,22.14) v3(68.14,21.64) v3(68.14,21.14) v3(68.14,20.64) v3(68.14,20.14) v3(68.14,19.64) v3(68.14,19.14) v3(68.14,18.64) v3(68.14,18.14) v3(68.14,17.64) v3(68.14,17.14) v3(68.14,16.64) v3(68.14,16.14) v3(68.14,15.64) v3(68.14,15.14) v3(68.14,14.64) v3(68.14,14.14) v3(68.14,13.64) v3(68.14,13.14) v3(68.14,12.64) v3(68.14,12.14) v3(68.14,11.64) v3(68.14,11.14) v3(68.14,10.64) v3(68.14,10.14) v3(68.14,9.64) v3(68.14,9.14) v3(68.14,8.64) v3(68.14,8.14) v3(68.14,7.64) v3(68.14,7.14) v3(68.14,6.64) v3(68.14,6.14) v3(68.14,5.64) v3(68.14,5.14) v3(68.14,4.64) v3(68.14,3.14) v3(68.64,55.14) v3(68.64,54.64) v3(68.64,53.64) v3(68.64,53.14) v3(68.64,52.64) v3(68.64,51.64) v3(68.64,51.14) v3(68.64,50.64) v3(68.64,49.64) v3(68.64,49.14) v3(68.64,48.64) v3(68.64,47.64) v3(68.64,47.14) v3(68.64,46.64) v3(68.64,46.14) v3(68.64,45.64) v3(68.64,45.14) v3(68.64,44.64) v3(68.64,43.64) v3(68.64,43.14) v3(68.64,42.64) v3(68.64,42.14) v3(68.64,3.64) v3(68.64,3.14) v3(68.64,2.64) v3(69.14,54.14) v3(69.14,53.64) v3(69.14,53.14) v3(69.14,52.64) v3(69.14,51.14) v3(69.14,50.64) v3(69.14,49.14) v3(69.14,48.64) v3(69.14,47.14) v3(69.14,46.64) v3(69.14,45.14) v3(69.14,44.64) v3(69.14,43.14) v3(69.14,42.64) v3(69.14,3.14)
